# KiCad board ae89fa26-SparkFun_Thing_Plus_ESP32-S3_panelized.kicad_pcb (continued)
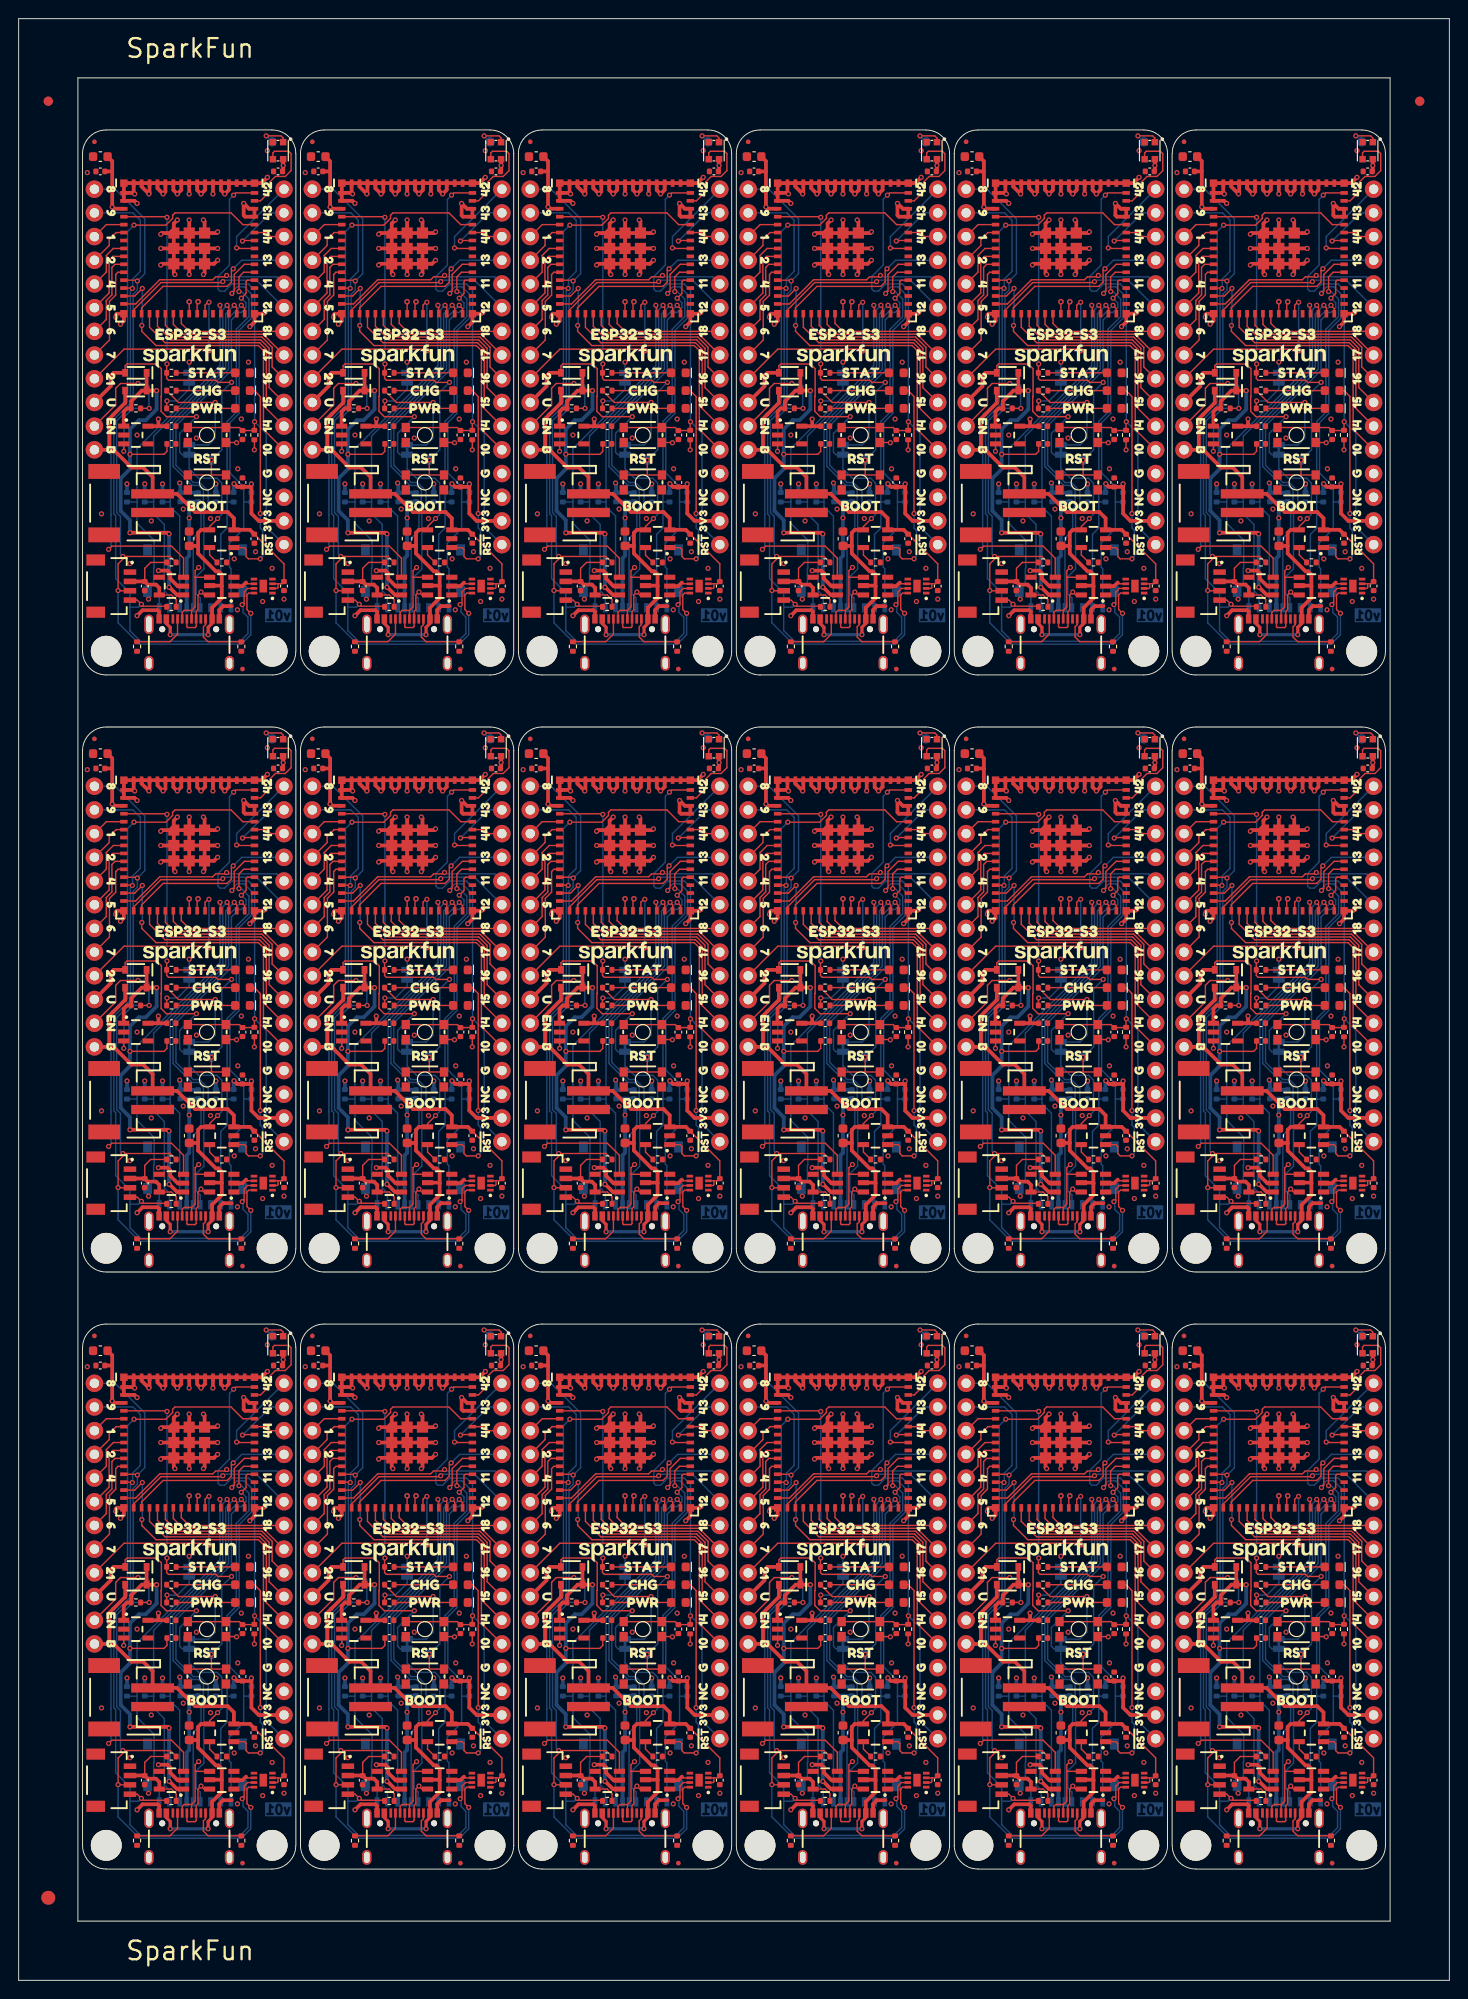
[diagram p0: board, top side]
## Placement (name value [footprint] x y rotation side) (continued)
kibuzzard-656A3901#17  G***  [kibuzzard-656A3901]  111.72 91.17 180 bottom
kibuzzard-656A3901#18  G***  [kibuzzard-656A3901]  18.28 27.17 180 bottom
kibuzzard-656A4896  G***  [kibuzzard-656A4896]  18.44 48.44 0 top
kibuzzard-656A4896#2  G***  [kibuzzard-656A4896]  18.44 176.44 0 top
kibuzzard-656A4896#3  G***  [kibuzzard-656A4896]  18.44 112.44 0 top
kibuzzard-656A4896#4  G***  [kibuzzard-656A4896]  41.8 176.44 0 top
kibuzzard-656A4896#5  G***  [kibuzzard-656A4896]  135.24 176.44 0 top
kibuzzard-656A4896#6  G***  [kibuzzard-656A4896]  65.16 48.44 0 top
kibuzzard-656A4896#7  G***  [kibuzzard-656A4896]  111.88 176.44 0 top
kibuzzard-656A4896#8  G***  [kibuzzard-656A4896]  65.16 112.44 0 top
kibuzzard-656A4896#9  G***  [kibuzzard-656A4896]  88.52 48.44 0 top
kibuzzard-656A4896#10  G***  [kibuzzard-656A4896]  88.52 112.44 0 top
kibuzzard-656A4896#11  G***  [kibuzzard-656A4896]  88.52 176.44 0 top
kibuzzard-656A4896#12  G***  [kibuzzard-656A4896]  135.24 48.44 0 top
kibuzzard-656A4896#13  G***  [kibuzzard-656A4896]  41.8 112.44 0 top
kibuzzard-656A4896#14  G***  [kibuzzard-656A4896]  65.16 176.44 0 top
kibuzzard-656A4896#15  G***  [kibuzzard-656A4896]  111.88 112.44 0 top
kibuzzard-656A4896#16  G***  [kibuzzard-656A4896]  135.24 112.44 0 top
kibuzzard-656A4896#17  G***  [kibuzzard-656A4896]  41.8 48.44 0 top
kibuzzard-656A4896#18  G***  [kibuzzard-656A4896]  111.88 48.44 0 top
kibuzzard-6569BE4A  G***  [kibuzzard-6569BE4A]  136.99 108.32 0 top
kibuzzard-6569BE4A#2  G***  [kibuzzard-6569BE4A]  113.62 108.32 0 top
kibuzzard-6569BE4A#3  G***  [kibuzzard-6569BE4A]  136.99 44.32 0 top
kibuzzard-6569BE4A#4  G***  [kibuzzard-6569BE4A]  113.62 44.32 0 top
kibuzzard-6569BE4A#5  G***  [kibuzzard-6569BE4A]  113.62 172.32 0 top
kibuzzard-6569BE4A#6  G***  [kibuzzard-6569BE4A]  90.26 172.32 0 top
kibuzzard-6569BE4A#7  G***  [kibuzzard-6569BE4A]  136.99 172.32 0 top
kibuzzard-6569BE4A#8  G***  [kibuzzard-6569BE4A]  66.91 44.32 0 top
kibuzzard-6569BE4A#9  G***  [kibuzzard-6569BE4A]  90.26 44.32 0 top
kibuzzard-6569BE4A#10  G***  [kibuzzard-6569BE4A]  43.54 108.32 0 top
kibuzzard-6569BE4A#11  G***  [kibuzzard-6569BE4A]  20.19 172.32 0 top
kibuzzard-6569BE4A#12  G***  [kibuzzard-6569BE4A]  20.19 108.32 0 top
kibuzzard-6569BE4A#13  G***  [kibuzzard-6569BE4A]  43.54 44.32 0 top
kibuzzard-6569BE4A#14  G***  [kibuzzard-6569BE4A]  43.54 172.32 0 top
kibuzzard-6569BE4A#15  G***  [kibuzzard-6569BE4A]  66.91 108.32 0 top
kibuzzard-6569BE4A#16  G***  [kibuzzard-6569BE4A]  66.91 172.32 0 top
kibuzzard-6569BE4A#17  G***  [kibuzzard-6569BE4A]  90.26 108.32 0 top
kibuzzard-6569BE4A#18  G***  [kibuzzard-6569BE4A]  20.19 44.32 0 top
kibuzzard-6569BE28  G***  [kibuzzard-6569BE28]  20.19 99.11 0 top
kibuzzard-6569BE28#2  G***  [kibuzzard-6569BE28]  113.62 99.11 0 top
kibuzzard-6569BE28#3  G***  [kibuzzard-6569BE28]  43.54 163.11 0 top
kibuzzard-6569BE28#4  G***  [kibuzzard-6569BE28]  66.91 35.11 0 top
kibuzzard-6569BE28#5  G***  [kibuzzard-6569BE28]  113.62 35.11 0 top
kibuzzard-6569BE28#6  G***  [kibuzzard-6569BE28]  43.54 35.11 0 top
kibuzzard-6569BE28#7  G***  [kibuzzard-6569BE28]  43.54 99.11 0 top
kibuzzard-6569BE28#8  G***  [kibuzzard-6569BE28]  66.91 163.11 0 top
kibuzzard-6569BE28#9  G***  [kibuzzard-6569BE28]  136.99 99.11 0 top
kibuzzard-6569BE28#10  G***  [kibuzzard-6569BE28]  20.19 163.11 0 top
kibuzzard-6569BE28#11  G***  [kibuzzard-6569BE28]  66.91 99.11 0 top
kibuzzard-6569BE28#12  G***  [kibuzzard-6569BE28]  90.26 35.11 0 top
kibuzzard-6569BE28#13  G***  [kibuzzard-6569BE28]  90.26 99.11 0 top
kibuzzard-6569BE28#14  G***  [kibuzzard-6569BE28]  90.26 163.11 0 top
kibuzzard-6569BE28#15  G***  [kibuzzard-6569BE28]  136.99 163.11 0 top
kibuzzard-6569BE28#16  G***  [kibuzzard-6569BE28]  113.62 163.11 0 top
kibuzzard-6569BE28#17  G***  [kibuzzard-6569BE28]  136.99 35.11 0 top
kibuzzard-6569BE28#18  G***  [kibuzzard-6569BE28]  20.19 35.11 0 top
kibuzzard-6569BE57  G***  [kibuzzard-6569BE57]  20.19 168.51 0 top
kibuzzard-6569BE57#2  G***  [kibuzzard-6569BE57]  43.54 104.51 0 top
kibuzzard-6569BE57#3  G***  [kibuzzard-6569BE57]  20.19 104.51 0 top
kibuzzard-6569BE57#4  G***  [kibuzzard-6569BE57]  43.54 40.51 0 top
kibuzzard-6569BE57#5  G***  [kibuzzard-6569BE57]  113.62 104.51 0 top
kibuzzard-6569BE57#6  G***  [kibuzzard-6569BE57]  66.91 168.51 0 top
kibuzzard-6569BE57#7  G***  [kibuzzard-6569BE57]  90.26 104.51 0 top
kibuzzard-6569BE57#8  G***  [kibuzzard-6569BE57]  136.99 104.51 0 top
kibuzzard-6569BE57#9  G***  [kibuzzard-6569BE57]  136.99 168.51 0 top
kibuzzard-6569BE57#10  G***  [kibuzzard-6569BE57]  136.99 40.51 0 top
kibuzzard-6569BE57#11  G***  [kibuzzard-6569BE57]  113.62 168.51 0 top
kibuzzard-6569BE57#12  G***  [kibuzzard-6569BE57]  43.54 168.51 0 top
kibuzzard-6569BE57#13  G***  [kibuzzard-6569BE57]  66.91 40.51 0 top
kibuzzard-6569BE57#14  G***  [kibuzzard-6569BE57]  90.26 168.51 0 top
kibuzzard-6569BE57#15  G***  [kibuzzard-6569BE57]  113.62 40.51 0 top
kibuzzard-6569BE57#16  G***  [kibuzzard-6569BE57]  90.26 40.51 0 top
kibuzzard-6569BE57#17  G***  [kibuzzard-6569BE57]  66.91 104.51 0 top
kibuzzard-6569BE57#18  G***  [kibuzzard-6569BE57]  20.19 40.51 0 top
kibuzzard-6569BF02  G***  [kibuzzard-6569BF02]  136.99 42.41 0 top
kibuzzard-6569BF02#2  G***  [kibuzzard-6569BF02]  20.19 106.41 0 top
kibuzzard-6569BF02#3  G***  [kibuzzard-6569BF02]  20.19 170.41 0 top
kibuzzard-6569BF02#4  G***  [kibuzzard-6569BF02]  43.54 106.41 0 top
kibuzzard-6569BF02#5  G***  [kibuzzard-6569BF02]  43.54 170.41 0 top
kibuzzard-6569BF02#6  G***  [kibuzzard-6569BF02]  66.91 42.41 0 top
kibuzzard-6569BF02#7  G***  [kibuzzard-6569BF02]  66.91 106.41 0 top
kibuzzard-6569BF02#8  G***  [kibuzzard-6569BF02]  66.91 170.41 0 top
kibuzzard-6569BF02#9  G***  [kibuzzard-6569BF02]  90.26 170.41 0 top
kibuzzard-6569BF02#10  G***  [kibuzzard-6569BF02]  113.62 42.41 0 top
kibuzzard-6569BF02#11  G***  [kibuzzard-6569BF02]  43.54 42.41 0 top
kibuzzard-6569BF02#12  G***  [kibuzzard-6569BF02]  90.26 42.41 0 top
kibuzzard-6569BF02#13  G***  [kibuzzard-6569BF02]  90.26 106.41 0 top
kibuzzard-6569BF02#14  G***  [kibuzzard-6569BF02]  113.62 106.41 0 top
kibuzzard-6569BF02#15  G***  [kibuzzard-6569BF02]  113.62 170.41 0 top
kibuzzard-6569BF02#16  G***  [kibuzzard-6569BF02]  136.99 170.41 0 top
kibuzzard-6569BF02#17  G***  [kibuzzard-6569BF02]  136.99 106.41 0 top
kibuzzard-6569BF02#18  G***  [kibuzzard-6569BF02]  20.19 42.41 0 top
kibuzzard-6569F7FC  G***  [kibuzzard-6569F7FC]  18.28 133.08 180 bottom
kibuzzard-6569F7FC#2  G***  [kibuzzard-6569F7FC]  88.36 133.08 180 bottom
kibuzzard-6569F7FC#3  G***  [kibuzzard-6569F7FC]  41.64 69.08 180 bottom
kibuzzard-6569F7FC#4  G***  [kibuzzard-6569F7FC]  88.36 197.08 180 bottom
kibuzzard-6569F7FC#5  G***  [kibuzzard-6569F7FC]  18.28 197.08 180 bottom
kibuzzard-6569F7FC#6  G***  [kibuzzard-6569F7FC]  65 69.08 180 bottom
kibuzzard-6569F7FC#7  G***  [kibuzzard-6569F7FC]  41.64 197.08 180 bottom
kibuzzard-6569F7FC#8  G***  [kibuzzard-6569F7FC]  65 133.08 180 bottom
kibuzzard-6569F7FC#9  G***  [kibuzzard-6569F7FC]  41.64 133.08 180 bottom
kibuzzard-6569F7FC#10  G***  [kibuzzard-6569F7FC]  65 197.08 180 bottom
kibuzzard-6569F7FC#11  G***  [kibuzzard-6569F7FC]  88.36 69.08 180 bottom
kibuzzard-6569F7FC#12  G***  [kibuzzard-6569F7FC]  135.08 69.08 180 bottom
kibuzzard-6569F7FC#13  G***  [kibuzzard-6569F7FC]  135.08 197.08 180 bottom
kibuzzard-6569F7FC#14  G***  [kibuzzard-6569F7FC]  135.08 133.08 180 bottom
kibuzzard-6569F7FC#15  G***  [kibuzzard-6569F7FC]  111.72 69.08 180 bottom
kibuzzard-6569F7FC#16  G***  [kibuzzard-6569F7FC]  111.72 197.08 180 bottom
kibuzzard-6569F7FC#17  G***  [kibuzzard-6569F7FC]  111.72 133.08 180 bottom
kibuzzard-6569F7FC#18  G***  [kibuzzard-6569F7FC]  18.28 69.08 180 bottom
kibuzzard-6569F8A4  G***  [kibuzzard-6569F8A4]  113.62 94.03 0 top
kibuzzard-6569F8A4#2  G***  [kibuzzard-6569F8A4]  136.99 94.03 0 top
kibuzzard-6569F8A4#3  G***  [kibuzzard-6569F8A4]  20.19 94.03 0 top
kibuzzard-6569F8A4#4  G***  [kibuzzard-6569F8A4]  43.54 30.03 0 top
kibuzzard-6569F8A4#5  G***  [kibuzzard-6569F8A4]  20.19 158.03 0 top
kibuzzard-6569F8A4#6  G***  [kibuzzard-6569F8A4]  43.54 94.03 0 top
kibuzzard-6569F8A4#7  G***  [kibuzzard-6569F8A4]  43.54 158.03 0 top
kibuzzard-6569F8A4#8  G***  [kibuzzard-6569F8A4]  66.91 30.03 0 top
kibuzzard-6569F8A4#9  G***  [kibuzzard-6569F8A4]  90.26 30.03 0 top
kibuzzard-6569F8A4#10  G***  [kibuzzard-6569F8A4]  90.26 94.03 0 top
kibuzzard-6569F8A4#11  G***  [kibuzzard-6569F8A4]  66.91 94.03 0 top
kibuzzard-6569F8A4#12  G***  [kibuzzard-6569F8A4]  66.91 158.03 0 top
kibuzzard-6569F8A4#13  G***  [kibuzzard-6569F8A4]  90.26 158.03 0 top
kibuzzard-6569F8A4#14  G***  [kibuzzard-6569F8A4]  113.62 158.03 0 top
kibuzzard-6569F8A4#15  G***  [kibuzzard-6569F8A4]  136.99 30.03 0 top
kibuzzard-6569F8A4#16  G***  [kibuzzard-6569F8A4]  136.99 158.03 0 top
kibuzzard-6569F8A4#17  G***  [kibuzzard-6569F8A4]  113.62 30.03 0 top
kibuzzard-6569F8A4#18  G***  [kibuzzard-6569F8A4]  20.19 30.03 0 top
kibuzzard-6569F804  G***  [kibuzzard-6569F804]  88.36 193.91 180 bottom
kibuzzard-6569F804#2  G***  [kibuzzard-6569F804]  18.28 129.91 180 bottom
kibuzzard-6569F804#3  G***  [kibuzzard-6569F804]  88.36 129.91 180 bottom
kibuzzard-6569F804#4  G***  [kibuzzard-6569F804]  41.64 65.91 180 bottom
kibuzzard-6569F804#5  G***  [kibuzzard-6569F804]  65 65.91 180 bottom
kibuzzard-6569F804#6  G***  [kibuzzard-6569F804]  65 193.91 180 bottom
kibuzzard-6569F804#7  G***  [kibuzzard-6569F804]  88.36 65.91 180 bottom
kibuzzard-6569F804#8  G***  [kibuzzard-6569F804]  41.64 193.91 180 bottom
kibuzzard-6569F804#9  G***  [kibuzzard-6569F804]  111.72 129.91 180 bottom
kibuzzard-6569F804#10  G***  [kibuzzard-6569F804]  111.72 193.91 180 bottom
kibuzzard-6569F804#11  G***  [kibuzzard-6569F804]  65 129.91 180 bottom
kibuzzard-6569F804#12  G***  [kibuzzard-6569F804]  135.08 65.91 180 bottom
kibuzzard-6569F804#13  G***  [kibuzzard-6569F804]  111.72 65.91 180 bottom
kibuzzard-6569F804#14  G***  [kibuzzard-6569F804]  41.64 129.91 180 bottom
kibuzzard-6569F804#15  G***  [kibuzzard-6569F804]  135.08 129.91 180 bottom
kibuzzard-6569F804#16  G***  [kibuzzard-6569F804]  18.28 193.91 180 bottom
kibuzzard-6569F804#17  G***  [kibuzzard-6569F804]  135.08 193.91 180 bottom
kibuzzard-6569F804#18  G***  [kibuzzard-6569F804]  18.28 65.91 180 bottom
kibuzzard-6569FC00  G***  [kibuzzard-6569FC00]  56.75 58.92 180 bottom
kibuzzard-6569FC00#2  G***  [kibuzzard-6569FC00]  103.47 186.92 180 bottom
kibuzzard-6569FC00#3  G***  [kibuzzard-6569FC00]  80.1 58.92 180 bottom
kibuzzard-6569FC00#4  G***  [kibuzzard-6569FC00]  56.75 122.92 180 bottom
kibuzzard-6569FC00#5  G***  [kibuzzard-6569FC00]  33.38 186.92 180 bottom
kibuzzard-6569FC00#6  G***  [kibuzzard-6569FC00]  103.47 122.92 180 bottom
kibuzzard-6569FC00#7  G***  [kibuzzard-6569FC00]  56.75 186.92 180 bottom
kibuzzard-6569FC00#8  G***  [kibuzzard-6569FC00]  103.47 58.92 180 bottom
kibuzzard-6569FC00#9  G***  [kibuzzard-6569FC00]  10.03 122.92 180 bottom
kibuzzard-6569FC00#10  G***  [kibuzzard-6569FC00]  33.38 122.92 180 bottom
kibuzzard-6569FC00#11  G***  [kibuzzard-6569FC00]  10.03 186.92 180 bottom
kibuzzard-6569FC00#12  G***  [kibuzzard-6569FC00]  33.38 58.92 180 bottom
kibuzzard-6569FC00#13  G***  [kibuzzard-6569FC00]  80.1 122.92 180 bottom
kibuzzard-6569FC00#14  G***  [kibuzzard-6569FC00]  80.1 186.92 180 bottom
kibuzzard-6569FC00#15  G***  [kibuzzard-6569FC00]  126.82 58.92 180 bottom
kibuzzard-6569FC00#16  G***  [kibuzzard-6569FC00]  126.82 122.92 180 bottom
kibuzzard-6569FC00#17  G***  [kibuzzard-6569FC00]  126.82 186.92 180 bottom
kibuzzard-6569FC00#18  G***  [kibuzzard-6569FC00]  10.03 58.92 180 bottom
kibuzzard-6569FC2B  G***  [kibuzzard-6569FC2B]  10.15 117.84 180 bottom
kibuzzard-6569FC2B#2  G***  [kibuzzard-6569FC2B]  10.15 181.84 180 bottom
kibuzzard-6569FC2B#3  G***  [kibuzzard-6569FC2B]  33.51 117.84 180 bottom
kibuzzard-6569FC2B#4  G***  [kibuzzard-6569FC2B]  33.51 53.84 180 bottom
kibuzzard-6569FC2B#5  G***  [kibuzzard-6569FC2B]  33.51 181.84 180 bottom
kibuzzard-6569FC2B#6  G***  [kibuzzard-6569FC2B]  56.87 181.84 180 bottom
kibuzzard-6569FC2B#7  G***  [kibuzzard-6569FC2B]  126.95 53.84 180 bottom
kibuzzard-6569FC2B#8  G***  [kibuzzard-6569FC2B]  56.87 117.84 180 bottom
kibuzzard-6569FC2B#9  G***  [kibuzzard-6569FC2B]  80.23 117.84 180 bottom
kibuzzard-6569FC2B#10  G***  [kibuzzard-6569FC2B]  103.59 181.84 180 bottom
kibuzzard-6569FC2B#11  G***  [kibuzzard-6569FC2B]  80.23 53.84 180 bottom
kibuzzard-6569FC2B#12  G***  [kibuzzard-6569FC2B]  103.59 53.84 180 bottom
kibuzzard-6569FC2B#13  G***  [kibuzzard-6569FC2B]  126.95 117.84 180 bottom
kibuzzard-6569FC2B#14  G***  [kibuzzard-6569FC2B]  126.95 181.84 180 bottom
kibuzzard-6569FC2B#15  G***  [kibuzzard-6569FC2B]  80.23 181.84 180 bottom
kibuzzard-6569FC2B#16  G***  [kibuzzard-6569FC2B]  103.59 117.84 180 bottom
kibuzzard-6569FC2B#17  G***  [kibuzzard-6569FC2B]  56.87 53.84 180 bottom
kibuzzard-6569FC2B#18  G***  [kibuzzard-6569FC2B]  10.15 53.84 180 bottom
kibuzzard-6569FC4B  G***  [kibuzzard-6569FC4B]  33.77 171.68 180 bottom
kibuzzard-6569FC4B#2  G***  [kibuzzard-6569FC4B]  80.49 43.68 180 bottom
kibuzzard-6569FC4B#3  G***  [kibuzzard-6569FC4B]  80.49 171.68 180 bottom
kibuzzard-6569FC4B#4  G***  [kibuzzard-6569FC4B]  33.77 43.68 180 bottom
kibuzzard-6569FC4B#5  G***  [kibuzzard-6569FC4B]  103.85 171.68 180 bottom
kibuzzard-6569FC4B#6  G***  [kibuzzard-6569FC4B]  57.13 171.68 180 bottom
kibuzzard-6569FC4B#7  G***  [kibuzzard-6569FC4B]  10.41 171.68 180 bottom
kibuzzard-6569FC4B#8  G***  [kibuzzard-6569FC4B]  10.41 107.68 180 bottom
kibuzzard-6569FC4B#9  G***  [kibuzzard-6569FC4B]  33.77 107.68 180 bottom
kibuzzard-6569FC4B#10  G***  [kibuzzard-6569FC4B]  57.13 43.68 180 bottom
kibuzzard-6569FC4B#11  G***  [kibuzzard-6569FC4B]  57.13 107.68 180 bottom
kibuzzard-6569FC4B#12  G***  [kibuzzard-6569FC4B]  80.49 107.68 180 bottom
kibuzzard-6569FC4B#13  G***  [kibuzzard-6569FC4B]  103.85 107.68 180 bottom
kibuzzard-6569FC4B#14  G***  [kibuzzard-6569FC4B]  103.85 43.68 180 bottom
kibuzzard-6569FC4B#15  G***  [kibuzzard-6569FC4B]  127.21 107.68 180 bottom
kibuzzard-6569FC4B#16  G***  [kibuzzard-6569FC4B]  127.21 43.68 180 bottom
kibuzzard-6569FC4B#17  G***  [kibuzzard-6569FC4B]  127.21 171.68 180 bottom
kibuzzard-6569FC4B#18  G***  [kibuzzard-6569FC4B]  10.41 43.68 180 bottom
kibuzzard-6569FC6D  G***  [kibuzzard-6569FC6D]  10.41 102.6 180 bottom
kibuzzard-6569FC6D#2  G***  [kibuzzard-6569FC6D]  10.41 166.6 180 bottom
kibuzzard-6569FC6D#3  G***  [kibuzzard-6569FC6D]  33.77 38.6 180 bottom
kibuzzard-6569FC6D#4  G***  [kibuzzard-6569FC6D]  33.77 102.6 180 bottom
kibuzzard-6569FC6D#5  G***  [kibuzzard-6569FC6D]  33.77 166.6 180 bottom
kibuzzard-6569FC6D#6  G***  [kibuzzard-6569FC6D]  103.85 38.6 180 bottom
kibuzzard-6569FC6D#7  G***  [kibuzzard-6569FC6D]  57.13 102.6 180 bottom
kibuzzard-6569FC6D#8  G***  [kibuzzard-6569FC6D]  80.49 102.6 180 bottom
kibuzzard-6569FC6D#9  G***  [kibuzzard-6569FC6D]  127.21 38.6 180 bottom
kibuzzard-6569FC6D#10  G***  [kibuzzard-6569FC6D]  103.85 102.6 180 bottom
kibuzzard-6569FC6D#11  G***  [kibuzzard-6569FC6D]  57.13 38.6 180 bottom
kibuzzard-6569FC6D#12  G***  [kibuzzard-6569FC6D]  127.21 166.6 180 bottom
kibuzzard-6569FC6D#13  G***  [kibuzzard-6569FC6D]  80.49 38.6 180 bottom
kibuzzard-6569FC6D#14  G***  [kibuzzard-6569FC6D]  80.49 166.6 180 bottom
kibuzzard-6569FC6D#15  G***  [kibuzzard-6569FC6D]  57.13 166.6 180 bottom
kibuzzard-6569FC6D#16  G***  [kibuzzard-6569FC6D]  103.85 166.6 180 bottom
kibuzzard-6569FC6D#17  G***  [kibuzzard-6569FC6D]  127.21 102.6 180 bottom
kibuzzard-6569FC6D#18  G***  [kibuzzard-6569FC6D]  10.41 38.6 180 bottom
kibuzzard-6569FC19  G***  [kibuzzard-6569FC19]  10.03 120.38 180 bottom
kibuzzard-6569FC19#2  G***  [kibuzzard-6569FC19]  33.38 184.38 180 bottom
kibuzzard-6569FC19#3  G***  [kibuzzard-6569FC19]  10.03 184.38 180 bottom
kibuzzard-6569FC19#4  G***  [kibuzzard-6569FC19]  103.47 184.38 180 bottom
kibuzzard-6569FC19#5  G***  [kibuzzard-6569FC19]  56.75 120.38 180 bottom
kibuzzard-6569FC19#6  G***  [kibuzzard-6569FC19]  80.1 120.38 180 bottom
kibuzzard-6569FC19#7  G***  [kibuzzard-6569FC19]  80.1 184.38 180 bottom
kibuzzard-6569FC19#8  G***  [kibuzzard-6569FC19]  103.47 56.38 180 bottom
kibuzzard-6569FC19#9  G***  [kibuzzard-6569FC19]  80.1 56.38 180 bottom
kibuzzard-6569FC19#10  G***  [kibuzzard-6569FC19]  126.82 184.38 180 bottom
kibuzzard-6569FC19#11  G***  [kibuzzard-6569FC19]  56.75 184.38 180 bottom
kibuzzard-6569FC19#12  G***  [kibuzzard-6569FC19]  126.82 120.38 180 bottom
kibuzzard-6569FC19#13  G***  [kibuzzard-6569FC19]  33.38 56.38 180 bottom
kibuzzard-6569FC19#14  G***  [kibuzzard-6569FC19]  103.47 120.38 180 bottom
kibuzzard-6569FC19#15  G***  [kibuzzard-6569FC19]  126.82 56.38 180 bottom
kibuzzard-6569FC19#16  G***  [kibuzzard-6569FC19]  33.38 120.38 180 bottom
kibuzzard-6569FC19#17  G***  [kibuzzard-6569FC19]  56.75 56.38 180 bottom
kibuzzard-6569FC19#18  G***  [kibuzzard-6569FC19]  10.03 56.38 180 bottom
kibuzzard-6569FC30  G***  [kibuzzard-6569FC30]  10.03 179.3 180 bottom
kibuzzard-6569FC30#2  G***  [kibuzzard-6569FC30]  33.38 51.3 180 bottom
kibuzzard-6569FC30#3  G***  [kibuzzard-6569FC30]  33.38 115.3 180 bottom
kibuzzard-6569FC30#4  G***  [kibuzzard-6569FC30]  10.03 115.3 180 bottom
kibuzzard-6569FC30#5  G***  [kibuzzard-6569FC30]  33.38 179.3 180 bottom
kibuzzard-6569FC30#6  G***  [kibuzzard-6569FC30]  80.1 115.3 180 bottom
kibuzzard-6569FC30#7  G***  [kibuzzard-6569FC30]  126.82 51.3 180 bottom
kibuzzard-6569FC30#8  G***  [kibuzzard-6569FC30]  56.75 179.3 180 bottom
kibuzzard-6569FC30#9  G***  [kibuzzard-6569FC30]  103.47 51.3 180 bottom
kibuzzard-6569FC30#10  G***  [kibuzzard-6569FC30]  103.47 179.3 180 bottom
kibuzzard-6569FC30#11  G***  [kibuzzard-6569FC30]  56.75 51.3 180 bottom
kibuzzard-6569FC30#12  G***  [kibuzzard-6569FC30]  56.75 115.3 180 bottom
kibuzzard-6569FC30#13  G***  [kibuzzard-6569FC30]  103.47 115.3 180 bottom
kibuzzard-6569FC30#14  G***  [kibuzzard-6569FC30]  80.1 51.3 180 bottom
kibuzzard-6569FC30#15  G***  [kibuzzard-6569FC30]  80.1 179.3 180 bottom
kibuzzard-6569FC30#16  G***  [kibuzzard-6569FC30]  126.82 115.3 180 bottom
kibuzzard-6569FC30#17  G***  [kibuzzard-6569FC30]  126.82 179.3 180 bottom
kibuzzard-6569FC30#18  G***  [kibuzzard-6569FC30]  10.03 51.3 180 bottom
kibuzzard-6569FC40  G***  [kibuzzard-6569FC40]  56.75 112.76 180 bottom
kibuzzard-6569FC40#2  G***  [kibuzzard-6569FC40]  103.47 48.76 180 bottom
kibuzzard-6569FC40#3  G***  [kibuzzard-6569FC40]  126.82 48.76 180 bottom
kibuzzard-6569FC40#4  G***  [kibuzzard-6569FC40]  10.03 112.76 180 bottom
kibuzzard-6569FC40#5  G***  [kibuzzard-6569FC40]  80.1 48.76 180 bottom
kibuzzard-6569FC40#6  G***  [kibuzzard-6569FC40]  103.47 112.76 180 bottom
kibuzzard-6569FC40#7  G***  [kibuzzard-6569FC40]  33.38 176.76 180 bottom
kibuzzard-6569FC40#8  G***  [kibuzzard-6569FC40]  10.03 176.76 180 bottom
kibuzzard-6569FC40#9  G***  [kibuzzard-6569FC40]  80.1 112.76 180 bottom
kibuzzard-6569FC40#10  G***  [kibuzzard-6569FC40]  103.47 176.76 180 bottom
kibuzzard-6569FC40#11  G***  [kibuzzard-6569FC40]  33.38 112.76 180 bottom
kibuzzard-6569FC40#12  G***  [kibuzzard-6569FC40]  56.75 48.76 180 bottom
kibuzzard-6569FC40#13  G***  [kibuzzard-6569FC40]  33.38 48.76 180 bottom
kibuzzard-6569FC40#14  G***  [kibuzzard-6569FC40]  56.75 176.76 180 bottom
kibuzzard-6569FC40#15  G***  [kibuzzard-6569FC40]  80.1 176.76 180 bottom
kibuzzard-6569FC40#16  G***  [kibuzzard-6569FC40]  126.82 112.76 180 bottom
kibuzzard-6569FC40#17  G***  [kibuzzard-6569FC40]  126.82 176.76 180 bottom
kibuzzard-6569FC40#18  G***  [kibuzzard-6569FC40]  10.03 48.76 180 bottom
kibuzzard-6569FC46  G***  [kibuzzard-6569FC46]  56.87 174.22 180 bottom
kibuzzard-6569FC46#2  G***  [kibuzzard-6569FC46]  33.51 110.22 180 bottom
kibuzzard-6569FC46#3  G***  [kibuzzard-6569FC46]  56.87 46.22 180 bottom
kibuzzard-6569FC46#4  G***  [kibuzzard-6569FC46]  10.15 110.22 180 bottom
kibuzzard-6569FC46#5  G***  [kibuzzard-6569FC46]  33.51 174.22 180 bottom
kibuzzard-6569FC46#6  G***  [kibuzzard-6569FC46]  33.51 46.22 180 bottom
kibuzzard-6569FC46#7  G***  [kibuzzard-6569FC46]  56.87 110.22 180 bottom
kibuzzard-6569FC46#8  G***  [kibuzzard-6569FC46]  10.15 174.22 180 bottom
kibuzzard-6569FC46#9  G***  [kibuzzard-6569FC46]  103.59 46.22 180 bottom
kibuzzard-6569FC46#10  G***  [kibuzzard-6569FC46]  126.95 110.22 180 bottom
kibuzzard-6569FC46#11  G***  [kibuzzard-6569FC46]  80.23 174.22 180 bottom
kibuzzard-6569FC46#12  G***  [kibuzzard-6569FC46]  126.95 46.22 180 bottom
kibuzzard-6569FC46#13  G***  [kibuzzard-6569FC46]  80.23 110.22 180 bottom
kibuzzard-6569FC46#14  G***  [kibuzzard-6569FC46]  103.59 174.22 180 bottom
kibuzzard-6569FC46#15  G***  [kibuzzard-6569FC46]  80.23 46.22 180 bottom
kibuzzard-6569FC46#16  G***  [kibuzzard-6569FC46]  103.59 110.22 180 bottom
kibuzzard-6569FC46#17  G***  [kibuzzard-6569FC46]  126.95 174.22 180 bottom
kibuzzard-6569FC46#18  G***  [kibuzzard-6569FC46]  10.15 46.22 180 bottom
kibuzzard-6569FC75  G***  [kibuzzard-6569FC75]  11.55 100.06 180 bottom
kibuzzard-6569FC75#2  G***  [kibuzzard-6569FC75]  11.55 164.06 180 bottom
kibuzzard-6569FC75#3  G***  [kibuzzard-6569FC75]  58.27 100.06 180 bottom
kibuzzard-6569FC75#4  G***  [kibuzzard-6569FC75]  81.63 100.06 180 bottom
kibuzzard-6569FC75#5  G***  [kibuzzard-6569FC75]  34.91 36.06 180 bottom
kibuzzard-6569FC75#6  G***  [kibuzzard-6569FC75]  34.91 100.06 180 bottom
kibuzzard-6569FC75#7  G***  [kibuzzard-6569FC75]  34.91 164.06 180 bottom
kibuzzard-6569FC75#8  G***  [kibuzzard-6569FC75]  58.27 36.06 180 bottom
kibuzzard-6569FC75#9  G***  [kibuzzard-6569FC75]  58.27 164.06 180 bottom
kibuzzard-6569FC75#10  G***  [kibuzzard-6569FC75]  81.63 36.06 180 bottom
kibuzzard-6569FC75#11  G***  [kibuzzard-6569FC75]  104.99 164.06 180 bottom
kibuzzard-6569FC75#12  G***  [kibuzzard-6569FC75]  128.35 164.06 180 bottom
kibuzzard-6569FC75#13  G***  [kibuzzard-6569FC75]  104.99 100.06 180 bottom
kibuzzard-6569FC75#14  G***  [kibuzzard-6569FC75]  128.35 36.06 180 bottom
kibuzzard-6569FC75#15  G***  [kibuzzard-6569FC75]  81.63 164.06 180 bottom
kibuzzard-6569FC75#16  G***  [kibuzzard-6569FC75]  128.35 100.06 180 bottom
kibuzzard-6569FC75#17  G***  [kibuzzard-6569FC75]  104.99 36.06 180 bottom
kibuzzard-6569FC75#18  G***  [kibuzzard-6569FC75]  11.55 36.06 180 bottom
NOREF  -  [Fiducial_1mm_Mask3mm]  150.19 201.43 0 top
NOREF#2  -  [Fiducial_1mm_Mask3mm]  3.17 201.43 0 top
NOREF#3  -  [Fiducial_1.5mm_Mask3mm]  3.17 8.85 0 top
NOREF#4  -  [Fiducial_1mm_Mask3mm]  3.17 201.43 0 bottom
NOREF#5  -  [Fiducial_1mm_Mask3mm]  150.19 201.43 0 bottom
NOREF#6  -  [Fiducial_1.5mm_Mask3mm]  3.17 8.85 0 bottom
R1  10k  [R_0402_1005Metric]  15.42 94.98 270 bottom
R1#2  10k  [R_0402_1005Metric]  108.86 158.98 270 bottom
R1#3  10k  [R_0402_1005Metric]  85.5 30.98 270 bottom
R1#4  10k  [R_0402_1005Metric]  132.22 30.98 270 bottom
R1#5  10k  [R_0402_1005Metric]  38.78 30.98 270 bottom
R1#6  10k  [R_0402_1005Metric]  62.14 30.98 270 bottom
R1#7  10k  [R_0402_1005Metric]  62.14 94.98 270 bottom
R1#8  10k  [R_0402_1005Metric]  15.42 158.98 270 bottom
R1#9  10k  [R_0402_1005Metric]  38.78 158.98 270 bottom
R1#10  10k  [R_0402_1005Metric]  85.5 94.98 270 bottom
R1#11  10k  [R_0402_1005Metric]  108.86 30.98 270 bottom
R1#12  10k  [R_0402_1005Metric]  85.5 158.98 270 bottom
R1#13  10k  [R_0402_1005Metric]  62.14 158.98 270 bottom
R1#14  10k  [R_0402_1005Metric]  108.86 94.98 270 bottom
R1#15  10k  [R_0402_1005Metric]  38.78 94.98 270 bottom
R1#16  10k  [R_0402_1005Metric]  132.22 158.98 270 bottom
R1#17  10k  [R_0402_1005Metric]  132.22 94.98 270 bottom
R1#18  10k  [R_0402_1005Metric]  15.42 30.98 270 bottom
R2  10k  [R_0402_1005Metric]  91.22 30.98 270 bottom
R2#2  10k  [R_0402_1005Metric]  67.86 94.98 270 bottom
R2#3  10k  [R_0402_1005Metric]  114.58 30.98 270 bottom
R2#4  10k  [R_0402_1005Metric]  21.14 94.98 270 bottom
R2#5  10k  [R_0402_1005Metric]  21.14 158.98 270 bottom
R2#6  10k  [R_0402_1005Metric]  44.5 30.98 270 bottom
R2#7  10k  [R_0402_1005Metric]  44.5 158.98 270 bottom
R2#8  10k  [R_0402_1005Metric]  44.5 94.98 270 bottom
R2#9  10k  [R_0402_1005Metric]  91.22 94.98 270 bottom
R2#10  10k  [R_0402_1005Metric]  114.58 94.98 270 bottom
R2#11  10k  [R_0402_1005Metric]  137.94 158.98 270 bottom
R2#12  10k  [R_0402_1005Metric]  67.86 30.98 270 bottom
R2#13  10k  [R_0402_1005Metric]  67.86 158.98 270 bottom
R2#14  10k  [R_0402_1005Metric]  91.22 158.98 270 bottom
R2#15  10k  [R_0402_1005Metric]  114.58 158.98 270 bottom
R2#16  10k  [R_0402_1005Metric]  137.94 94.98 270 bottom
R2#17  10k  [R_0402_1005Metric]  137.94 30.98 270 bottom
R2#18  10k  [R_0402_1005Metric]  21.14 30.98 270 bottom
R3  10k  [R_0402_1005Metric]  69.76 94.98 270 bottom
R3#2  10k  [R_0402_1005Metric]  139.84 158.98 270 bottom
R3#3  10k  [R_0402_1005Metric]  69.76 30.98 270 bottom
R3#4  10k  [R_0402_1005Metric]  139.84 30.98 270 bottom